# KiCad board multi-channel-cremat-amplifier.kicad_pcb
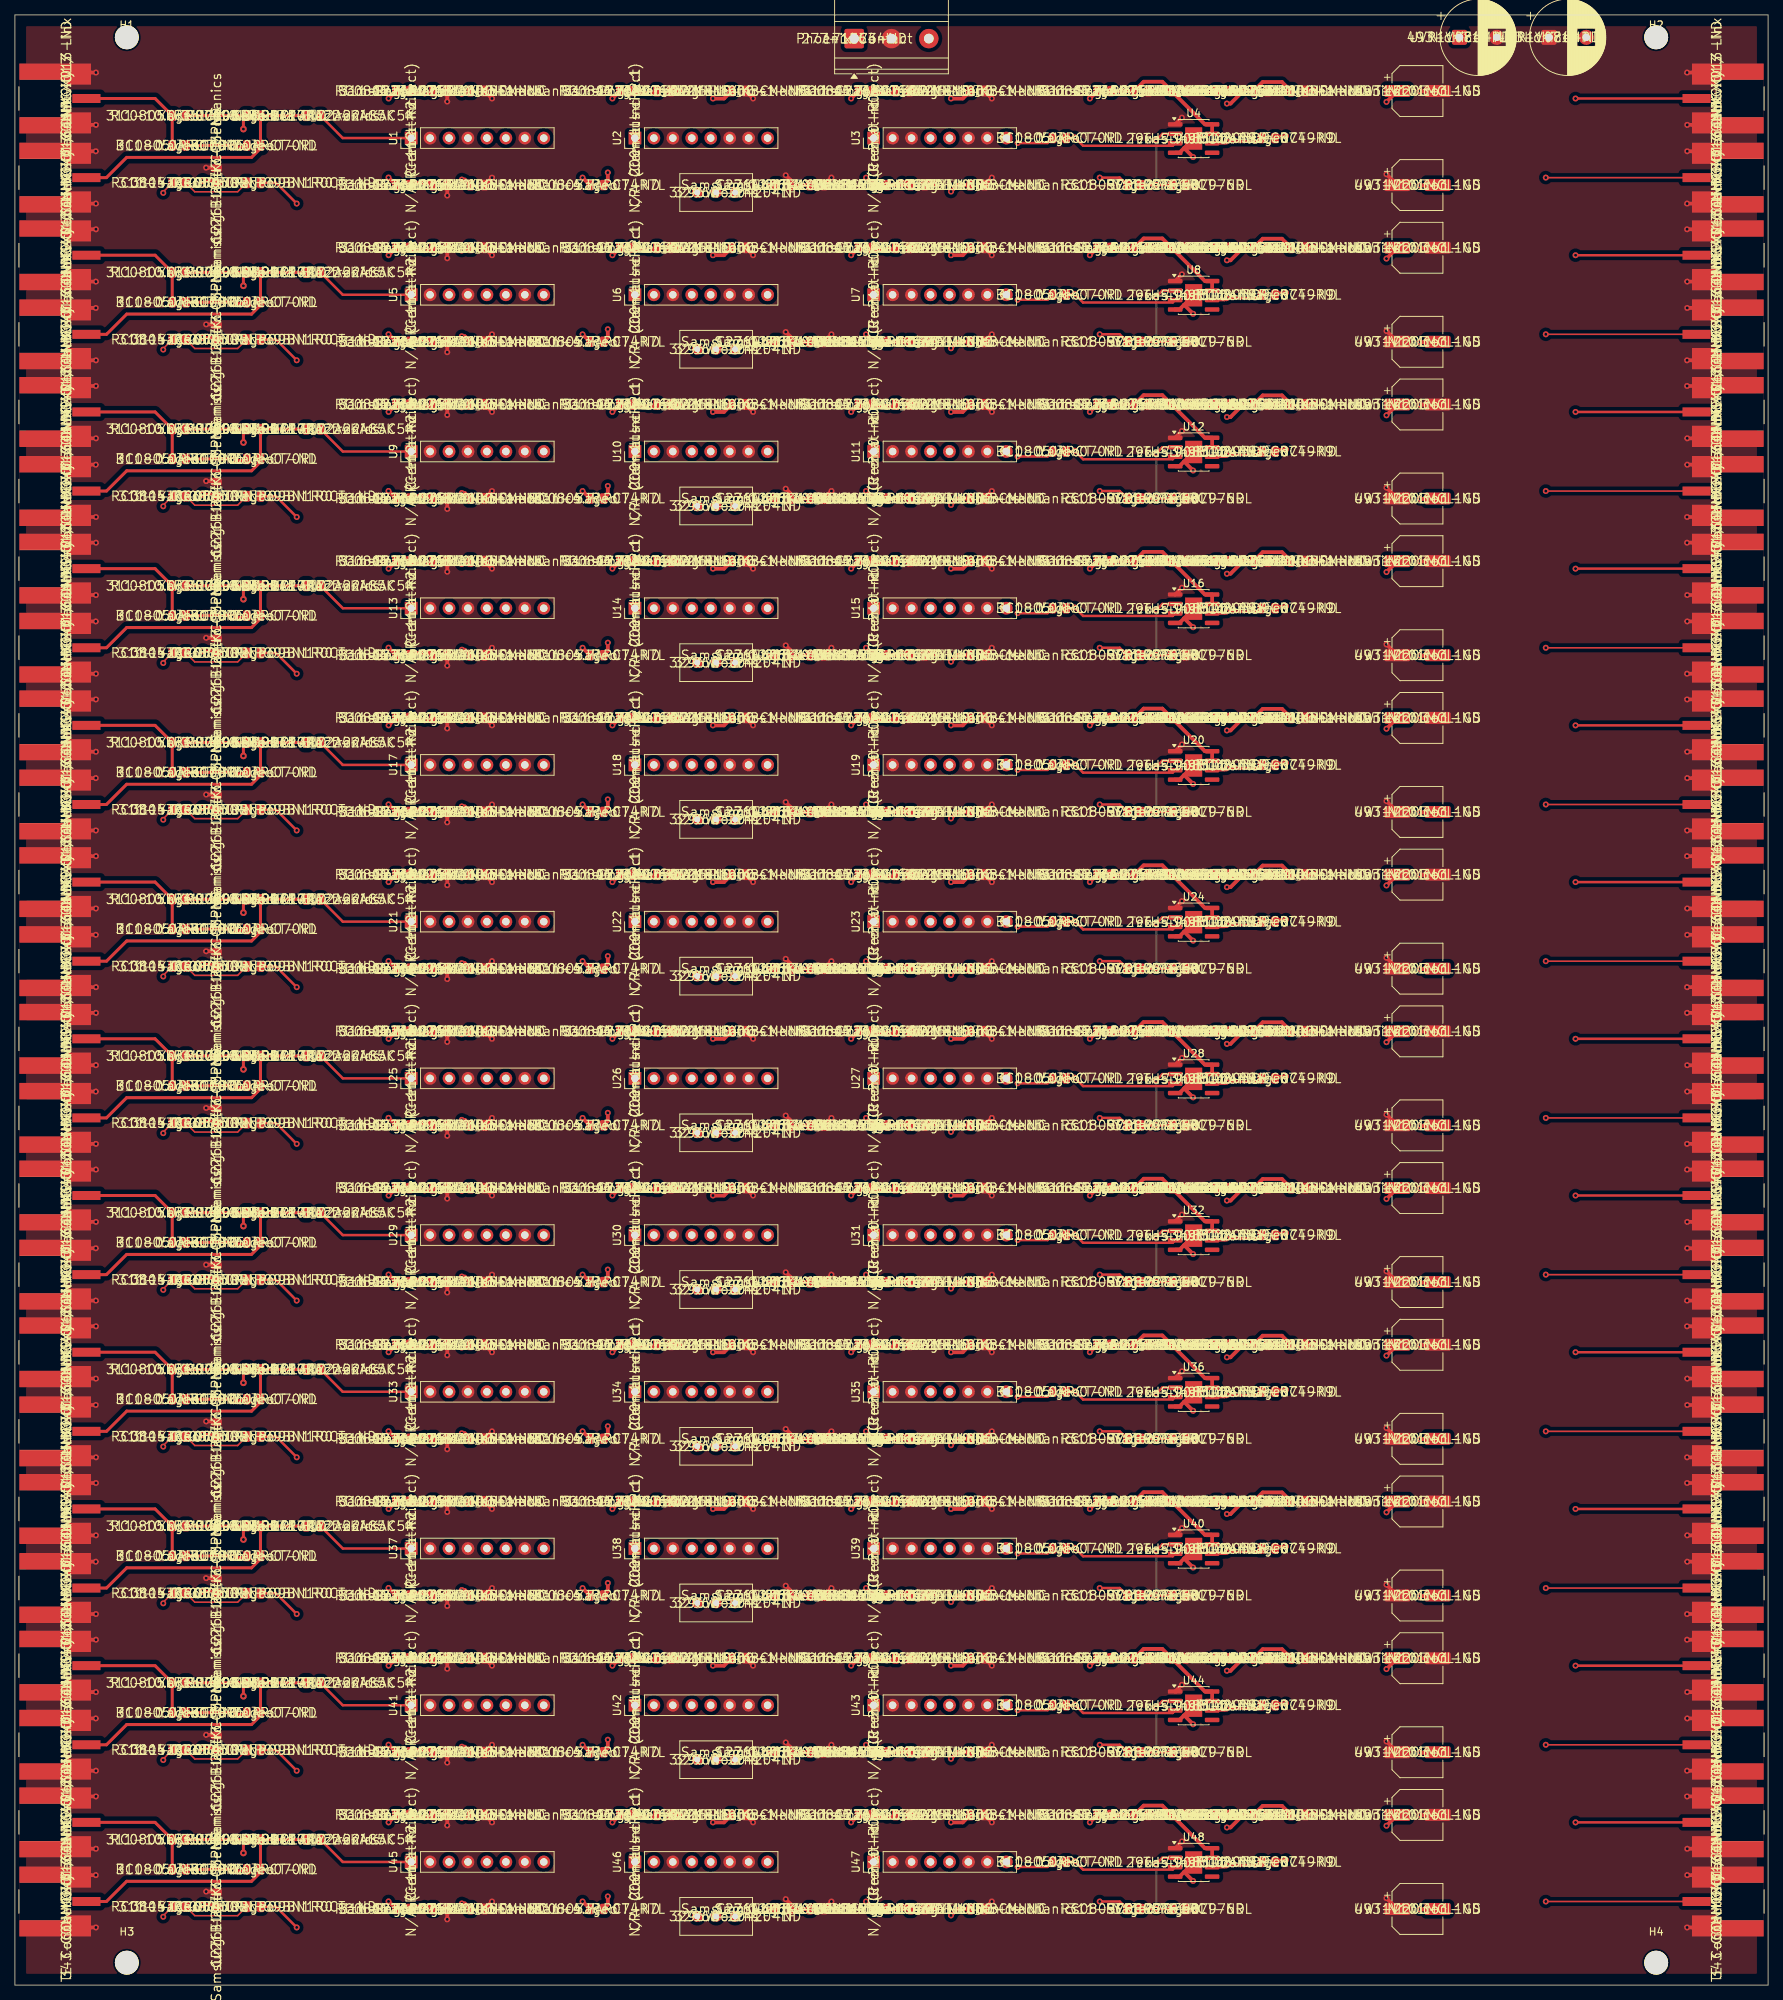
[diagram p0: board, top side]
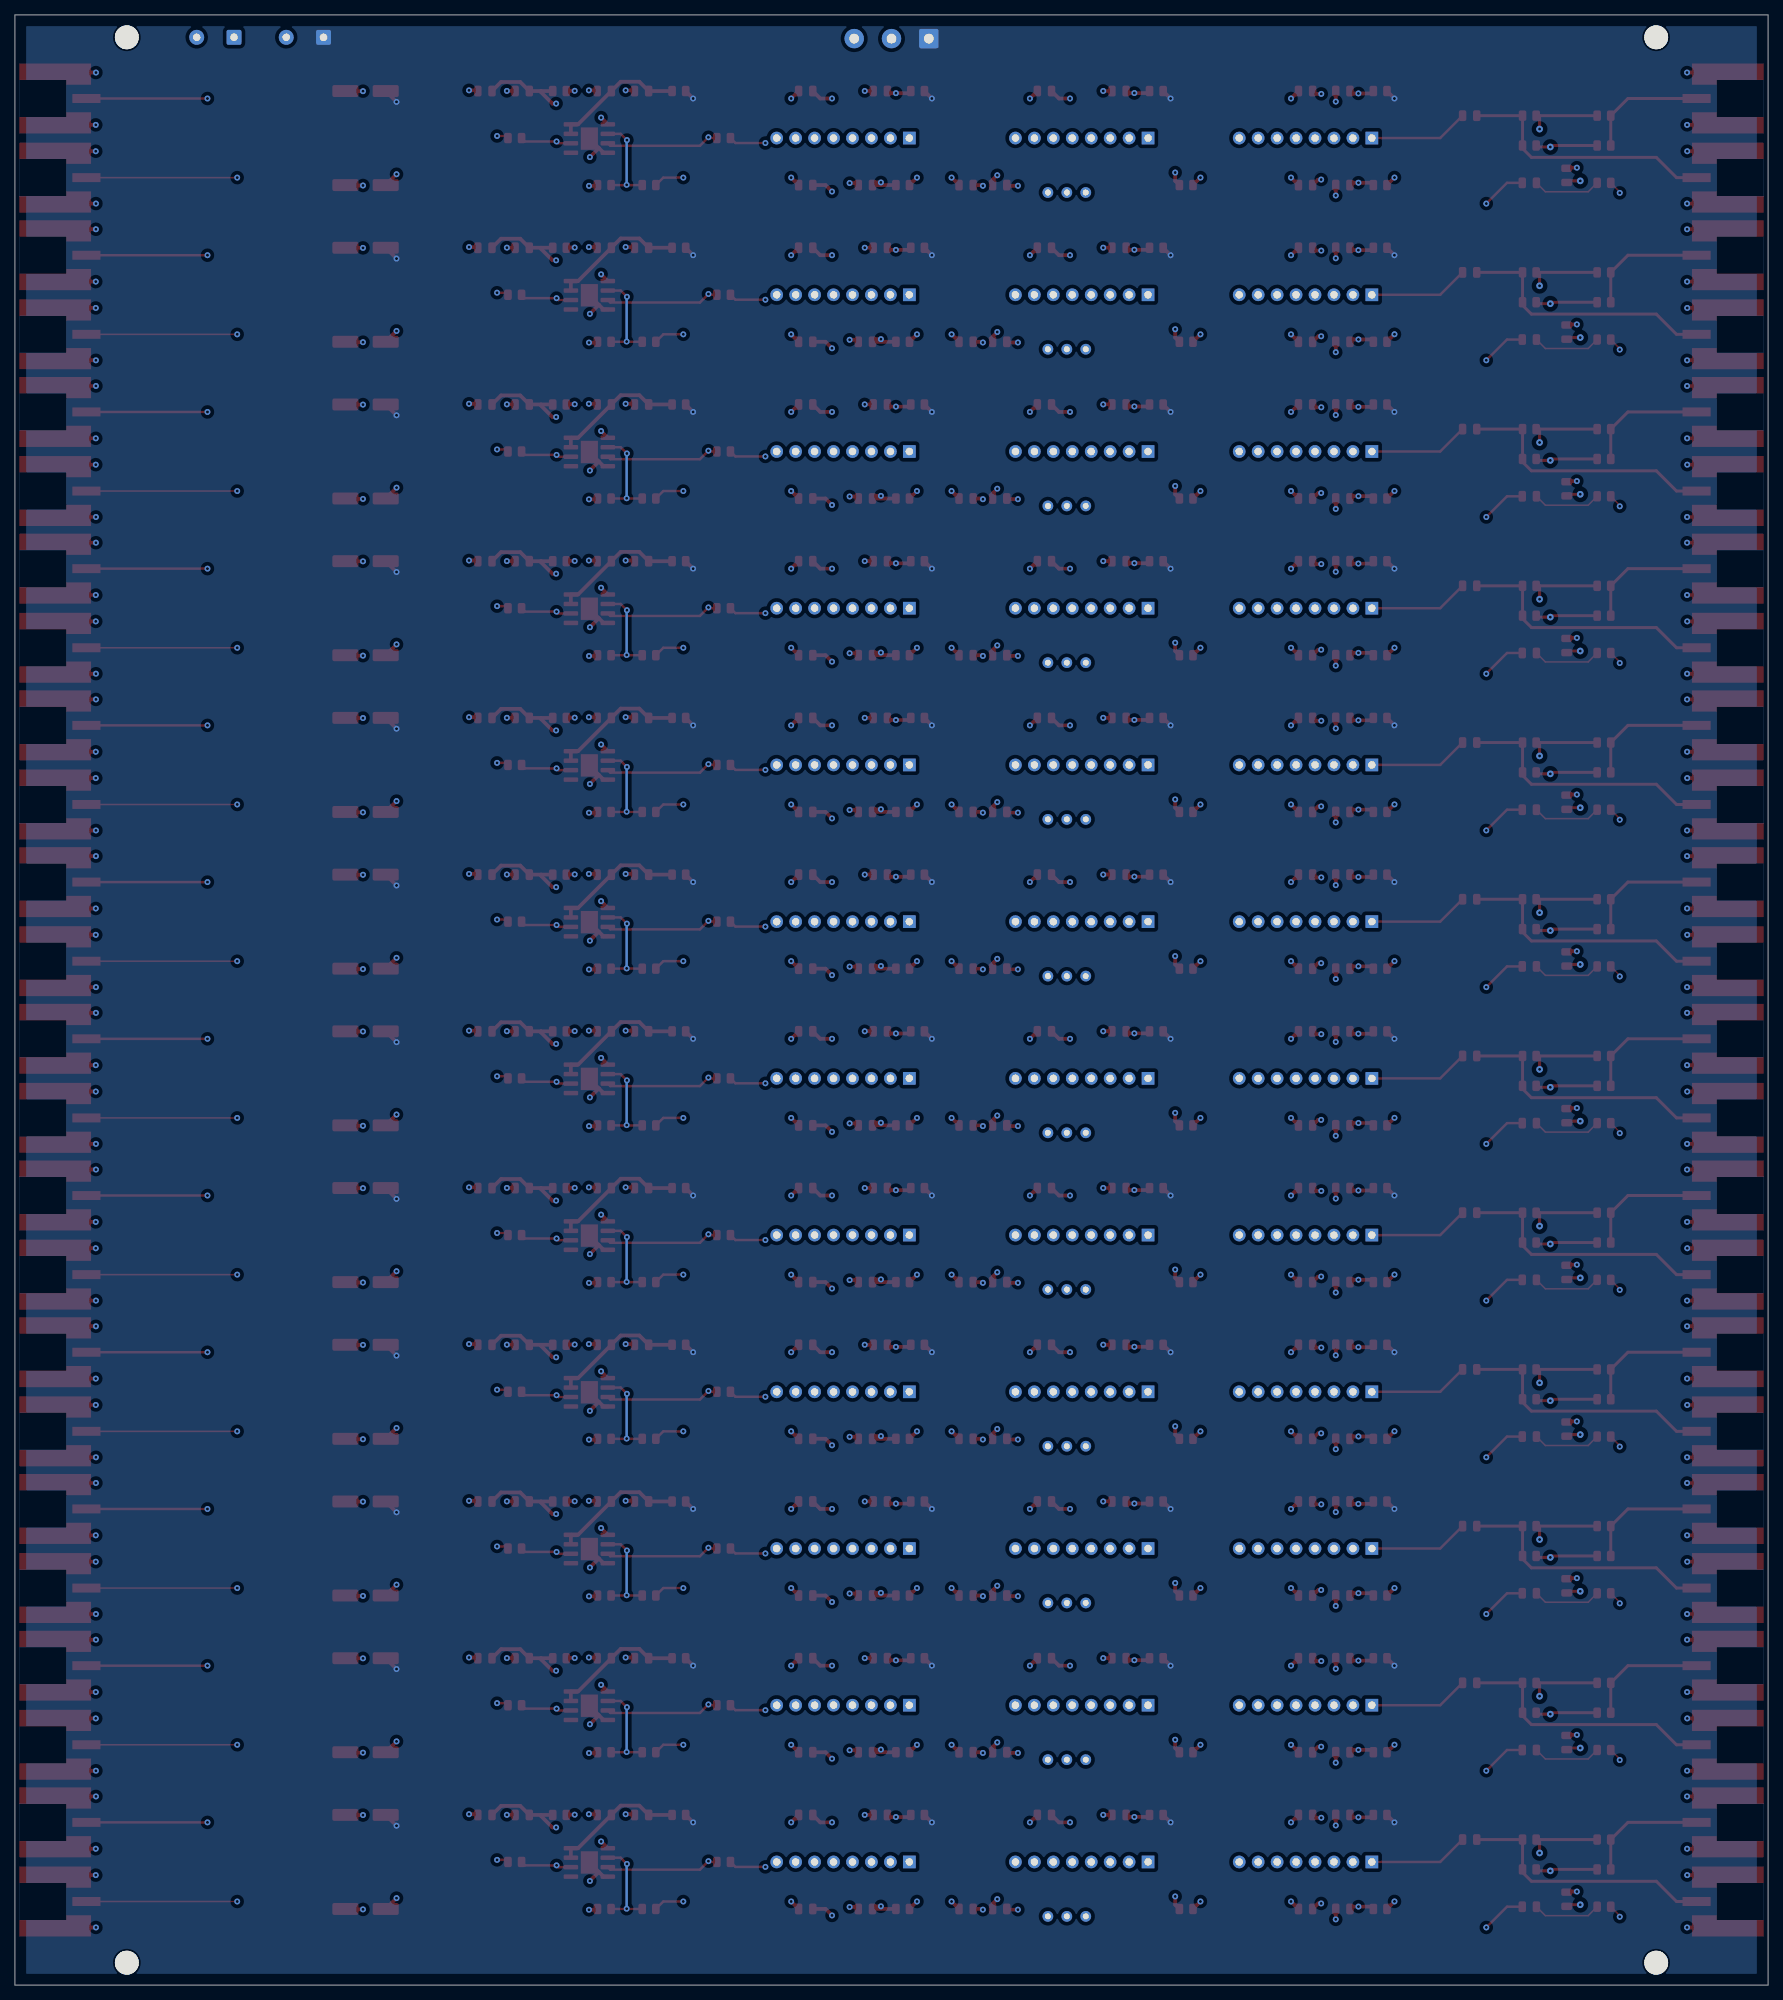
[diagram p1: board, bottom side, seen from below]

Outline 235 x 264 mm; copper layers: Top, GND.Cu, PWR.Cu, Bottom. Coordinates in mm from the lower left corner of the outline.
Outline path: 0,264 235,264 235,0 0,0 0,264

## Placement (name value [footprint] x y rotation side)
C1  100nF 100V X7R  [C_0805_2012Metric]  27 242.5 90 top
C2  0.22uF 100V X7R  [C_0805_2012Metric]  40 250.5 0 top
C3  1pF 50V C0G  [C_0805_2012Metric]  32 241.5 0 top
C4  10uF 25V X5R  [C_0805_2012Metric]  57 253.8 0 top
C5  0.1uF 50V X7R  [C_0805_2012Metric]  62 253.8 0 top
C6  10uF 25V X5R  [C_0805_2012Metric]  57 241.2 0 top
C7  0.1uF 50V X7R  [C_0805_2012Metric]  62 241.2 0 top
C8  10uF 25V X5R  [C_0805_2012Metric]  87 253.8 0 top
C9  0.1uF 50V X7R  [C_0805_2012Metric]  97 253.8 0 top
C10  10uF 25V X5R  [C_0805_2012Metric]  103 241.2 0 top
C11  0.1uF 50V X7R  [C_0805_2012Metric]  107.5 241.2 0 top
C12  10uF 25V X5R  [C_0805_2012Metric]  119 253.8 0 top
C13  0.1uF 50V X7R  [C_0805_2012Metric]  129 253.8 0 top
C14  10uF 25V X5R  [C_0805_2012Metric]  121 241.2 0 top
C15  0.1uF 50V X7R  [C_0805_2012Metric]  129 241.2 0 top
C16  100uF 35V  [CP_Elec_6.3x7.7]  188 253.8 0 top
C17  100uF 35V  [CP_Elec_6.3x7.7]  188 241.2 0 top
C18  10uF 25V X5R  [C_0805_2012Metric]  151 253.8 0 top
C19  0.1uF 50V X7R  [C_0805_2012Metric]  156 253.8 0 top
C20  10uF 25V X5R  [C_0805_2012Metric]  167 253.8 0 top
C21  0.1uF 50V X7R  [C_0805_2012Metric]  172 253.8 0 top
C22  100nF 100V X7R  [C_0805_2012Metric]  27 221.5 90 top
C23  0.22uF 100V X7R  [C_0805_2012Metric]  40 229.5 0 top
C24  1pF 50V C0G  [C_0805_2012Metric]  32 220.5 0 top
C25  10uF 25V X5R  [C_0805_2012Metric]  57 232.8 0 top
C26  0.1uF 50V X7R  [C_0805_2012Metric]  62 232.8 0 top
C27  10uF 25V X5R  [C_0805_2012Metric]  57 220.2 0 top
C28  0.1uF 50V X7R  [C_0805_2012Metric]  62 220.2 0 top
C29  10uF 25V X5R  [C_0805_2012Metric]  87 232.8 0 top
C30  0.1uF 50V X7R  [C_0805_2012Metric]  97 232.8 0 top
C31  10uF 25V X5R  [C_0805_2012Metric]  103 220.2 0 top
C32  0.1uF 50V X7R  [C_0805_2012Metric]  107.5 220.2 0 top
C33  10uF 25V X5R  [C_0805_2012Metric]  119 232.8 0 top
C34  0.1uF 50V X7R  [C_0805_2012Metric]  129 232.8 0 top
C35  10uF 25V X5R  [C_0805_2012Metric]  121 220.2 0 top
C36  0.1uF 50V X7R  [C_0805_2012Metric]  129 220.2 0 top
C37  100uF 35V  [CP_Elec_6.3x7.7]  188 232.8 0 top
C38  100uF 35V  [CP_Elec_6.3x7.7]  188 220.2 0 top
C39  10uF 25V X5R  [C_0805_2012Metric]  151 232.8 0 top
C40  0.1uF 50V X7R  [C_0805_2012Metric]  156 232.8 0 top
C41  10uF 25V X5R  [C_0805_2012Metric]  167 232.8 0 top
C42  0.1uF 50V X7R  [C_0805_2012Metric]  172 232.8 0 top
C43  100nF 100V X7R  [C_0805_2012Metric]  27 200.5 90 top
C44  0.22uF 100V X7R  [C_0805_2012Metric]  40 208.5 0 top
C45  1pF 50V C0G  [C_0805_2012Metric]  32 199.5 0 top
C46  10uF 25V X5R  [C_0805_2012Metric]  57 211.8 0 top
C47  0.1uF 50V X7R  [C_0805_2012Metric]  62 211.8 0 top
C48  10uF 25V X5R  [C_0805_2012Metric]  57 199.2 0 top
C49  0.1uF 50V X7R  [C_0805_2012Metric]  62 199.2 0 top
C50  10uF 25V X5R  [C_0805_2012Metric]  87 211.8 0 top
C51  0.1uF 50V X7R  [C_0805_2012Metric]  97 211.8 0 top
C52  10uF 25V X5R  [C_0805_2012Metric]  103 199.2 0 top
C53  0.1uF 50V X7R  [C_0805_2012Metric]  107.5 199.2 0 top
C54  10uF 25V X5R  [C_0805_2012Metric]  119 211.8 0 top
C55  0.1uF 50V X7R  [C_0805_2012Metric]  129 211.8 0 top
C56  10uF 25V X5R  [C_0805_2012Metric]  121 199.2 0 top
C57  0.1uF 50V X7R  [C_0805_2012Metric]  129 199.2 0 top
C58  100uF 35V  [CP_Elec_6.3x7.7]  188 211.8 0 top
C59  100uF 35V  [CP_Elec_6.3x7.7]  188 199.2 0 top
C60  10uF 25V X5R  [C_0805_2012Metric]  151 211.8 0 top
C61  0.1uF 50V X7R  [C_0805_2012Metric]  156 211.8 0 top
C62  10uF 25V X5R  [C_0805_2012Metric]  167 211.8 0 top
C63  0.1uF 50V X7R  [C_0805_2012Metric]  172 211.8 0 top
C64  100nF 100V X7R  [C_0805_2012Metric]  27 179.5 90 top
C65  0.22uF 100V X7R  [C_0805_2012Metric]  40 187.5 0 top
C66  1pF 50V C0G  [C_0805_2012Metric]  32 178.5 0 top
C67  10uF 25V X5R  [C_0805_2012Metric]  57 190.8 0 top
C68  0.1uF 50V X7R  [C_0805_2012Metric]  62 190.8 0 top
C69  10uF 25V X5R  [C_0805_2012Metric]  57 178.2 0 top
C70  0.1uF 50V X7R  [C_0805_2012Metric]  62 178.2 0 top
C71  10uF 25V X5R  [C_0805_2012Metric]  87 190.8 0 top
C72  0.1uF 50V X7R  [C_0805_2012Metric]  97 190.8 0 top
C73  10uF 25V X5R  [C_0805_2012Metric]  103 178.2 0 top
C74  0.1uF 50V X7R  [C_0805_2012Metric]  107.5 178.2 0 top
C75  10uF 25V X5R  [C_0805_2012Metric]  119 190.8 0 top
C76  0.1uF 50V X7R  [C_0805_2012Metric]  129 190.8 0 top
C77  10uF 25V X5R  [C_0805_2012Metric]  121 178.2 0 top
C78  0.1uF 50V X7R  [C_0805_2012Metric]  129 178.2 0 top
C79  100uF 35V  [CP_Elec_6.3x7.7]  188 190.8 0 top
C80  100uF 35V  [CP_Elec_6.3x7.7]  188 178.2 0 top
C81  10uF 25V X5R  [C_0805_2012Metric]  151 190.8 0 top
C82  0.1uF 50V X7R  [C_0805_2012Metric]  156 190.8 0 top
C83  10uF 25V X5R  [C_0805_2012Metric]  167 190.8 0 top
C84  0.1uF 50V X7R  [C_0805_2012Metric]  172 190.8 0 top
C85  100nF 100V X7R  [C_0805_2012Metric]  27 158.5 90 top
C86  0.22uF 100V X7R  [C_0805_2012Metric]  40 166.5 0 top
C87  1pF 50V C0G  [C_0805_2012Metric]  32 157.5 0 top
C88  10uF 25V X5R  [C_0805_2012Metric]  57 169.8 0 top
C89  0.1uF 50V X7R  [C_0805_2012Metric]  62 169.8 0 top
C90  10uF 25V X5R  [C_0805_2012Metric]  57 157.2 0 top
C91  0.1uF 50V X7R  [C_0805_2012Metric]  62 157.2 0 top
C92  10uF 25V X5R  [C_0805_2012Metric]  87 169.8 0 top
C93  0.1uF 50V X7R  [C_0805_2012Metric]  97 169.8 0 top
C94  10uF 25V X5R  [C_0805_2012Metric]  103 157.2 0 top
C95  0.1uF 50V X7R  [C_0805_2012Metric]  107.5 157.2 0 top
C96  10uF 25V X5R  [C_0805_2012Metric]  119 169.8 0 top
C97  0.1uF 50V X7R  [C_0805_2012Metric]  129 169.8 0 top
C98  10uF 25V X5R  [C_0805_2012Metric]  121 157.2 0 top
C99  0.1uF 50V X7R  [C_0805_2012Metric]  129 157.2 0 top
C100  100uF 35V  [CP_Elec_6.3x7.7]  188 169.8 0 top
C101  100uF 35V  [CP_Elec_6.3x7.7]  188 157.2 0 top
C102  10uF 25V X5R  [C_0805_2012Metric]  151 169.8 0 top
C103  0.1uF 50V X7R  [C_0805_2012Metric]  156 169.8 0 top
C104  10uF 25V X5R  [C_0805_2012Metric]  167 169.8 0 top
C105  0.1uF 50V X7R  [C_0805_2012Metric]  172 169.8 0 top
C106  100nF 100V X7R  [C_0805_2012Metric]  27 137.5 90 top
C107  0.22uF 100V X7R  [C_0805_2012Metric]  40 145.5 0 top
C108  1pF 50V C0G  [C_0805_2012Metric]  32 136.5 0 top
C109  10uF 25V X5R  [C_0805_2012Metric]  57 148.8 0 top
C110  0.1uF 50V X7R  [C_0805_2012Metric]  62 148.8 0 top
C111  10uF 25V X5R  [C_0805_2012Metric]  57 136.2 0 top
C112  0.1uF 50V X7R  [C_0805_2012Metric]  62 136.2 0 top
C113  10uF 25V X5R  [C_0805_2012Metric]  87 148.8 0 top
C114  0.1uF 50V X7R  [C_0805_2012Metric]  97 148.8 0 top
C115  10uF 25V X5R  [C_0805_2012Metric]  103 136.2 0 top
C116  0.1uF 50V X7R  [C_0805_2012Metric]  107.5 136.2 0 top
C117  10uF 25V X5R  [C_0805_2012Metric]  119 148.8 0 top
C118  0.1uF 50V X7R  [C_0805_2012Metric]  129 148.8 0 top
C119  10uF 25V X5R  [C_0805_2012Metric]  121 136.2 0 top
C120  0.1uF 50V X7R  [C_0805_2012Metric]  129 136.2 0 top
C121  100uF 35V  [CP_Elec_6.3x7.7]  188 148.8 0 top
C122  100uF 35V  [CP_Elec_6.3x7.7]  188 136.2 0 top
C123  10uF 25V X5R  [C_0805_2012Metric]  151 148.8 0 top
C124  0.1uF 50V X7R  [C_0805_2012Metric]  156 148.8 0 top
C125  10uF 25V X5R  [C_0805_2012Metric]  167 148.8 0 top
C126  0.1uF 50V X7R  [C_0805_2012Metric]  172 148.8 0 top
C127  100nF 100V X7R  [C_0805_2012Metric]  27 116.5 90 top
C128  0.22uF 100V X7R  [C_0805_2012Metric]  40 124.5 0 top
C129  1pF 50V C0G  [C_0805_2012Metric]  32 115.5 0 top
C130  10uF 25V X5R  [C_0805_2012Metric]  57 127.8 0 top
C131  0.1uF 50V X7R  [C_0805_2012Metric]  62 127.8 0 top
C132  10uF 25V X5R  [C_0805_2012Metric]  57 115.2 0 top
C133  0.1uF 50V X7R  [C_0805_2012Metric]  62 115.2 0 top
C134  10uF 25V X5R  [C_0805_2012Metric]  87 127.8 0 top
C135  0.1uF 50V X7R  [C_0805_2012Metric]  97 127.8 0 top
C136  10uF 25V X5R  [C_0805_2012Metric]  103 115.2 0 top
C137  0.1uF 50V X7R  [C_0805_2012Metric]  107.5 115.2 0 top
C138  10uF 25V X5R  [C_0805_2012Metric]  119 127.8 0 top
C139  0.1uF 50V X7R  [C_0805_2012Metric]  129 127.8 0 top
C140  10uF 25V X5R  [C_0805_2012Metric]  121 115.2 0 top
C141  0.1uF 50V X7R  [C_0805_2012Metric]  129 115.2 0 top
C142  100uF 35V  [CP_Elec_6.3x7.7]  188 127.8 0 top
C143  100uF 35V  [CP_Elec_6.3x7.7]  188 115.2 0 top
C144  10uF 25V X5R  [C_0805_2012Metric]  151 127.8 0 top
C145  0.1uF 50V X7R  [C_0805_2012Metric]  156 127.8 0 top
C146  10uF 25V X5R  [C_0805_2012Metric]  167 127.8 0 top
C147  0.1uF 50V X7R  [C_0805_2012Metric]  172 127.8 0 top
C148  100nF 100V X7R  [C_0805_2012Metric]  27 95.5 90 top
C149  0.22uF 100V X7R  [C_0805_2012Metric]  40 103.5 0 top
C150  1pF 50V C0G  [C_0805_2012Metric]  32 94.5 0 top
C151  10uF 25V X5R  [C_0805_2012Metric]  57 106.8 0 top
C152  0.1uF 50V X7R  [C_0805_2012Metric]  62 106.8 0 top
C153  10uF 25V X5R  [C_0805_2012Metric]  57 94.2 0 top
C154  0.1uF 50V X7R  [C_0805_2012Metric]  62 94.2 0 top
C155  10uF 25V X5R  [C_0805_2012Metric]  87 106.8 0 top
C156  0.1uF 50V X7R  [C_0805_2012Metric]  97 106.8 0 top
C157  10uF 25V X5R  [C_0805_2012Metric]  103 94.2 0 top
C158  0.1uF 50V X7R  [C_0805_2012Metric]  107.5 94.2 0 top
C159  10uF 25V X5R  [C_0805_2012Metric]  119 106.8 0 top
C160  0.1uF 50V X7R  [C_0805_2012Metric]  129 106.8 0 top
C161  10uF 25V X5R  [C_0805_2012Metric]  121 94.2 0 top
C162  0.1uF 50V X7R  [C_0805_2012Metric]  129 94.2 0 top
C163  100uF 35V  [CP_Elec_6.3x7.7]  188 106.8 0 top
C164  100uF 35V  [CP_Elec_6.3x7.7]  188 94.2 0 top
C165  10uF 25V X5R  [C_0805_2012Metric]  151 106.8 0 top
C166  0.1uF 50V X7R  [C_0805_2012Metric]  156 106.8 0 top
C167  10uF 25V X5R  [C_0805_2012Metric]  167 106.8 0 top
C168  0.1uF 50V X7R  [C_0805_2012Metric]  172 106.8 0 top
C169  100nF 100V X7R  [C_0805_2012Metric]  27 74.5 90 top
C170  0.22uF 100V X7R  [C_0805_2012Metric]  40 82.5 0 top
C171  1pF 50V C0G  [C_0805_2012Metric]  32 73.5 0 top
C172  10uF 25V X5R  [C_0805_2012Metric]  57 85.8 0 top
C173  0.1uF 50V X7R  [C_0805_2012Metric]  62 85.8 0 top
C174  10uF 25V X5R  [C_0805_2012Metric]  57 73.2 0 top
C175  0.1uF 50V X7R  [C_0805_2012Metric]  62 73.2 0 top
C176  10uF 25V X5R  [C_0805_2012Metric]  87 85.8 0 top
C177  0.1uF 50V X7R  [C_0805_2012Metric]  97 85.8 0 top
C178  10uF 25V X5R  [C_0805_2012Metric]  103 73.2 0 top
C179  0.1uF 50V X7R  [C_0805_2012Metric]  107.5 73.2 0 top
C180  10uF 25V X5R  [C_0805_2012Metric]  119 85.8 0 top
C181  0.1uF 50V X7R  [C_0805_2012Metric]  129 85.8 0 top
C182  10uF 25V X5R  [C_0805_2012Metric]  121 73.2 0 top
C183  0.1uF 50V X7R  [C_0805_2012Metric]  129 73.2 0 top
C184  100uF 35V  [CP_Elec_6.3x7.7]  188 85.8 0 top
C185  100uF 35V  [CP_Elec_6.3x7.7]  188 73.2 0 top
C186  10uF 25V X5R  [C_0805_2012Metric]  151 85.8 0 top
C187  0.1uF 50V X7R  [C_0805_2012Metric]  156 85.8 0 top
C188  10uF 25V X5R  [C_0805_2012Metric]  167 85.8 0 top
C189  0.1uF 50V X7R  [C_0805_2012Metric]  172 85.8 0 top
C190  100nF 100V X7R  [C_0805_2012Metric]  27 53.5 90 top
C191  0.22uF 100V X7R  [C_0805_2012Metric]  40 61.5 0 top
C192  1pF 50V C0G  [C_0805_2012Metric]  32 52.5 0 top
C193  10uF 25V X5R  [C_0805_2012Metric]  57 64.8 0 top
C194  0.1uF 50V X7R  [C_0805_2012Metric]  62 64.8 0 top
C195  10uF 25V X5R  [C_0805_2012Metric]  57 52.2 0 top
C196  0.1uF 50V X7R  [C_0805_2012Metric]  62 52.2 0 top
C197  10uF 25V X5R  [C_0805_2012Metric]  87 64.8 0 top
C198  0.1uF 50V X7R  [C_0805_2012Metric]  97 64.8 0 top
C199  10uF 25V X5R  [C_0805_2012Metric]  103 52.2 0 top
C200  0.1uF 50V X7R  [C_0805_2012Metric]  107.5 52.2 0 top
C201  10uF 25V X5R  [C_0805_2012Metric]  119 64.8 0 top
C202  0.1uF 50V X7R  [C_0805_2012Metric]  129 64.8 0 top
C203  10uF 25V X5R  [C_0805_2012Metric]  121 52.2 0 top
C204  0.1uF 50V X7R  [C_0805_2012Metric]  129 52.2 0 top
C205  100uF 35V  [CP_Elec_6.3x7.7]  188 64.8 0 top
C206  100uF 35V  [CP_Elec_6.3x7.7]  188 52.2 0 top
C207  10uF 25V X5R  [C_0805_2012Metric]  151 64.8 0 top
C208  0.1uF 50V X7R  [C_0805_2012Metric]  156 64.8 0 top
C209  10uF 25V X5R  [C_0805_2012Metric]  167 64.8 0 top
C210  0.1uF 50V X7R  [C_0805_2012Metric]  172 64.8 0 top
C211  100nF 100V X7R  [C_0805_2012Metric]  27 32.5 90 top
C212  0.22uF 100V X7R  [C_0805_2012Metric]  40 40.5 0 top
C213  1pF 50V C0G  [C_0805_2012Metric]  32 31.5 0 top
C214  10uF 25V X5R  [C_0805_2012Metric]  57 43.8 0 top
C215  0.1uF 50V X7R  [C_0805_2012Metric]  62 43.8 0 top
C216  10uF 25V X5R  [C_0805_2012Metric]  57 31.2 0 top
C217  0.1uF 50V X7R  [C_0805_2012Metric]  62 31.2 0 top
C218  10uF 25V X5R  [C_0805_2012Metric]  87 43.8 0 top
C219  0.1uF 50V X7R  [C_0805_2012Metric]  97 43.8 0 top
C220  10uF 25V X5R  [C_0805_2012Metric]  103 31.2 0 top
C221  0.1uF 50V X7R  [C_0805_2012Metric]  107.5 31.2 0 top
C222  10uF 25V X5R  [C_0805_2012Metric]  119 43.8 0 top
C223  0.1uF 50V X7R  [C_0805_2012Metric]  129 43.8 0 top
C224  10uF 25V X5R  [C_0805_2012Metric]  121 31.2 0 top
C225  0.1uF 50V X7R  [C_0805_2012Metric]  129 31.2 0 top
C226  100uF 35V  [CP_Elec_6.3x7.7]  188 43.8 0 top
C227  100uF 35V  [CP_Elec_6.3x7.7]  188 31.2 0 top
C228  10uF 25V X5R  [C_0805_2012Metric]  151 43.8 0 top
C229  0.1uF 50V X7R  [C_0805_2012Metric]  156 43.8 0 top
C230  10uF 25V X5R  [C_0805_2012Metric]  167 43.8 0 top
C231  0.1uF 50V X7R  [C_0805_2012Metric]  172 43.8 0 top
C232  100nF 100V X7R  [C_0805_2012Metric]  27 11.5 90 top
C233  0.22uF 100V X7R  [C_0805_2012Metric]  40 19.5 0 top
C234  1pF 50V C0G  [C_0805_2012Metric]  32 10.5 0 top
C235  10uF 25V X5R  [C_0805_2012Metric]  57 22.8 0 top
C236  0.1uF 50V X7R  [C_0805_2012Metric]  62 22.8 0 top
C237  10uF 25V X5R  [C_0805_2012Metric]  57 10.2 0 top
C238  0.1uF 50V X7R  [C_0805_2012Metric]  62 10.2 0 top
C239  10uF 25V X5R  [C_0805_2012Metric]  87 22.8 0 top
C240  0.1uF 50V X7R  [C_0805_2012Metric]  97 22.8 0 top
C241  10uF 25V X5R  [C_0805_2012Metric]  103 10.2 0 top
C242  0.1uF 50V X7R  [C_0805_2012Metric]  107.5 10.2 0 top
C243  10uF 25V X5R  [C_0805_2012Metric]  119 22.8 0 top
C244  0.1uF 50V X7R  [C_0805_2012Metric]  129 22.8 0 top
C245  10uF 25V X5R  [C_0805_2012Metric]  121 10.2 0 top
C246  0.1uF 50V X7R  [C_0805_2012Metric]  129 10.2 0 top
C247  100uF 35V  [CP_Elec_6.3x7.7]  188 22.8 0 top
C248  100uF 35V  [CP_Elec_6.3x7.7]  188 10.2 0 top
C249  10uF 25V X5R  [C_0805_2012Metric]  151 22.8 0 top
C250  0.1uF 50V X7R  [C_0805_2012Metric]  156 22.8 0 top
C251  10uF 25V X5R  [C_0805_2012Metric]  167 22.8 0 top
C252  0.1uF 50V X7R  [C_0805_2012Metric]  172 22.8 0 top
C253  470uF 35V  [CP_Radial_D10.0mm_P5.00mm]  193.63 261 0 top
C254  470uF 35V  [CP_Radial_D10.0mm_P5.00mm]  205.63 261 0 top
H1  -  [MountingHole_3.2mm_M3]  15 261 0 top
H2  -  [MountingHole_3.2mm_M3]  220 261 0 top
H3  -  [MountingHole_3.2mm_M3]  15 3 0 top
H4  -  [MountingHole_3.2mm_M3]  220 3 0 top
J1  MCX edge jack 50R  [MCX_CONMCX013_EdgeMount]  6.9 252.8 270 top
J2  MCX edge jack 50R  [MCX_CONMCX013_EdgeMount]  6.9 242.2 270 top
J3  MCX edge jack 50R  [MCX_CONMCX013_EdgeMount]  228.1 242.2 90 top
J4  MCX edge jack 50R  [MCX_CONMCX013_EdgeMount]  228.1 252.8 90 top
J5  MCX edge jack 50R  [MCX_CONMCX013_EdgeMount]  6.9 231.8 270 top
J6  MCX edge jack 50R  [MCX_CONMCX013_EdgeMount]  6.9 221.2 270 top
J7  MCX edge jack 50R  [MCX_CONMCX013_EdgeMount]  228.1 221.2 90 top
J8  MCX edge jack 50R  [MCX_CONMCX013_EdgeMount]  228.1 231.8 90 top
J9  MCX edge jack 50R  [MCX_CONMCX013_EdgeMount]  6.9 210.8 270 top
J10  MCX edge jack 50R  [MCX_CONMCX013_EdgeMount]  6.9 200.2 270 top
J11  MCX edge jack 50R  [MCX_CONMCX013_EdgeMount]  228.1 200.2 90 top
J12  MCX edge jack 50R  [MCX_CONMCX013_EdgeMount]  228.1 210.8 90 top
J13  MCX edge jack 50R  [MCX_CONMCX013_EdgeMount]  6.9 189.8 270 top
J14  MCX edge jack 50R  [MCX_CONMCX013_EdgeMount]  6.9 179.2 270 top
J15  MCX edge jack 50R  [MCX_CONMCX013_EdgeMount]  228.1 179.2 90 top
J16  MCX edge jack 50R  [MCX_CONMCX013_EdgeMount]  228.1 189.8 90 top
J17  MCX edge jack 50R  [MCX_CONMCX013_EdgeMount]  6.9 168.8 270 top
J18  MCX edge jack 50R  [MCX_CONMCX013_EdgeMount]  6.9 158.2 270 top
J19  MCX edge jack 50R  [MCX_CONMCX013_EdgeMount]  228.1 158.2 90 top
J20  MCX edge jack 50R  [MCX_CONMCX013_EdgeMount]  228.1 168.8 90 top
J21  MCX edge jack 50R  [MCX_CONMCX013_EdgeMount]  6.9 147.8 270 top
J22  MCX edge jack 50R  [MCX_CONMCX013_EdgeMount]  6.9 137.2 270 top
J23  MCX edge jack 50R  [MCX_CONMCX013_EdgeMount]  228.1 137.2 90 top
J24  MCX edge jack 50R  [MCX_CONMCX013_EdgeMount]  228.1 147.8 90 top
J25  MCX edge jack 50R  [MCX_CONMCX013_EdgeMount]  6.9 126.8 270 top
J26  MCX edge jack 50R  [MCX_CONMCX013_EdgeMount]  6.9 116.2 270 top
J27  MCX edge jack 50R  [MCX_CONMCX013_EdgeMount]  228.1 116.2 90 top
J28  MCX edge jack 50R  [MCX_CONMCX013_EdgeMount]  228.1 126.8 90 top
J29  MCX edge jack 50R  [MCX_CONMCX013_EdgeMount]  6.9 105.8 270 top
J30  MCX edge jack 50R  [MCX_CONMCX013_EdgeMount]  6.9 95.2 270 top
J31  MCX edge jack 50R  [MCX_CONMCX013_EdgeMount]  228.1 95.2 90 top
J32  MCX edge jack 50R  [MCX_CONMCX013_EdgeMount]  228.1 105.8 90 top
J33  MCX edge jack 50R  [MCX_CONMCX013_EdgeMount]  6.9 84.8 270 top
J34  MCX edge jack 50R  [MCX_CONMCX013_EdgeMount]  6.9 74.2 270 top
J35  MCX edge jack 50R  [MCX_CONMCX013_EdgeMount]  228.1 74.2 90 top
J36  MCX edge jack 50R  [MCX_CONMCX013_EdgeMount]  228.1 84.8 90 top
J37  MCX edge jack 50R  [MCX_CONMCX013_EdgeMount]  6.9 63.8 270 top
J38  MCX edge jack 50R  [MCX_CONMCX013_EdgeMount]  6.9 53.2 270 top
J39  MCX edge jack 50R  [MCX_CONMCX013_EdgeMount]  228.1 53.2 90 top
J40  MCX edge jack 50R  [MCX_CONMCX013_EdgeMount]  228.1 63.8 90 top
J41  MCX edge jack 50R  [MCX_CONMCX013_EdgeMount]  6.9 42.8 270 top
J42  MCX edge jack 50R  [MCX_CONMCX013_EdgeMount]  6.9 32.2 270 top
J43  MCX edge jack 50R  [MCX_CONMCX013_EdgeMount]  228.1 32.2 90 top
J44  MCX edge jack 50R  [MCX_CONMCX013_EdgeMount]  228.1 42.8 90 top
J45  MCX edge jack 50R  [MCX_CONMCX013_EdgeMount]  6.9 21.8 270 top
J46  MCX edge jack 50R  [MCX_CONMCX013_EdgeMount]  6.9 11.2 270 top
J47  MCX edge jack 50R  [MCX_CONMCX013_EdgeMount]  228.1 11.2 90 top
J48  MCX edge jack 50R  [MCX_CONMCX013_EdgeMount]  228.1 21.8 90 top
J49  Screw terminal 3-pos 5.08mm  [TerminalBlock_Phoenix_MKDS-1,5-3_1x03_P5.00mm_Horizontal]  112.5 260.83 0 top
R1  10k  [R_0805_2012Metric]  22 250.5 0 top
R2  0R  [R_0805_2012Metric]  22 246.5 0 top  (not fitted)
R3  10k  [R_0805_2012Metric]  32 250.5 0 top